# Allegro board rt1064_som_wifi.brd
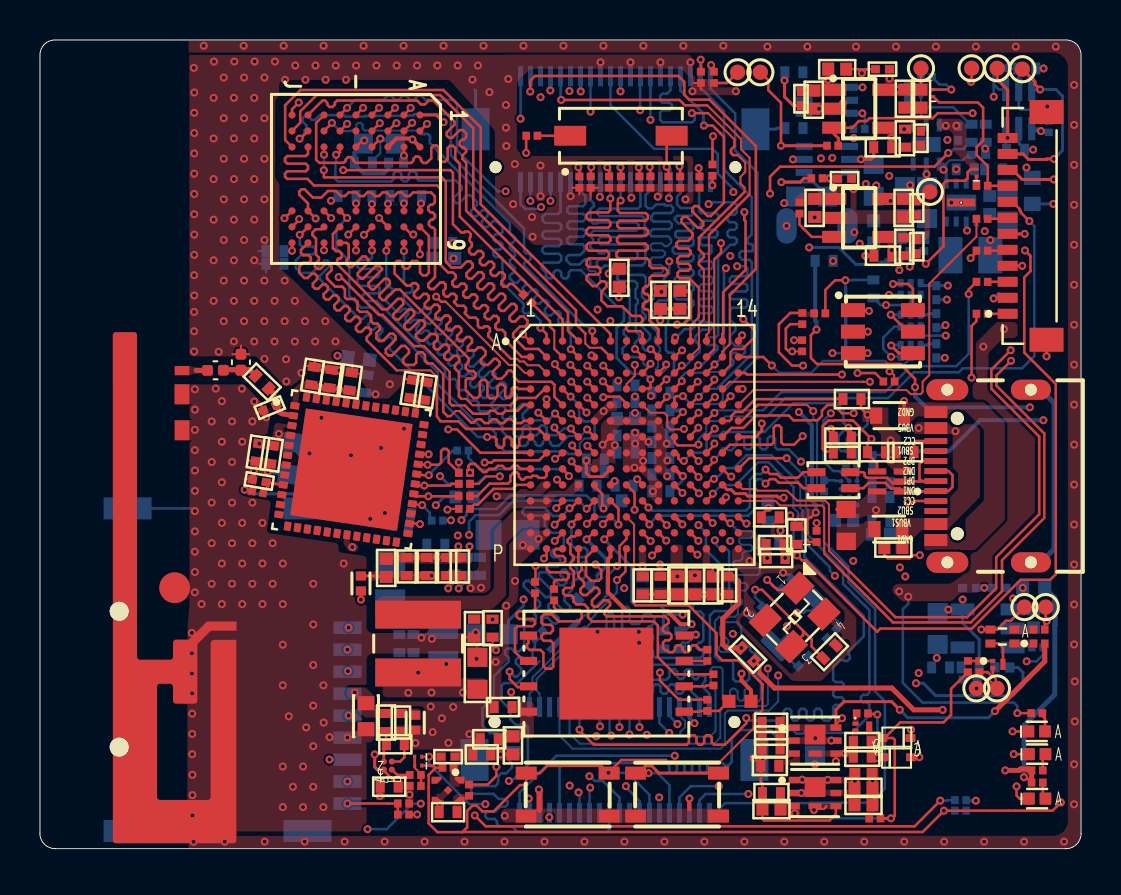
[diagram p0: board, top side]
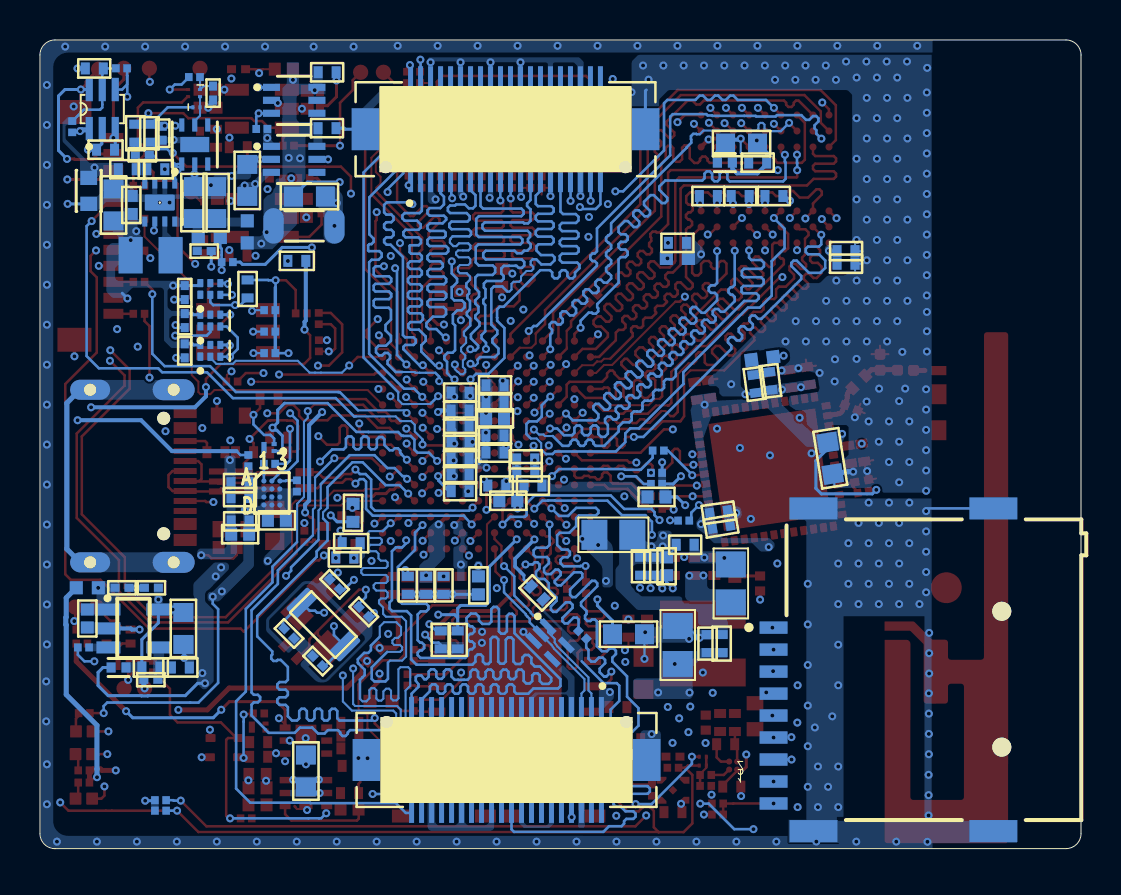
[diagram p1: board, bottom side, seen from below]

Outline 52.1 x 40.47 mm; copper layers: TOP, GND1, SIG1, POWER, GND3, BOTTOM. Coordinates in mm from the lower left corner of the outline.
Outline path: 0,39.72 0,0.75 arc(0.22,0.22) 0.75,0 51.35,0 arc(51.88,0.22) 52.1,0.75 52.1,39.72 arc(51.88,40.25) 51.35,40.47 0.75,40.47 arc(0.22,40.25) 0,39.72

## Design rules (mm)
constraint set DEFAULT: min track width 0.102
net group FLASH_D0: nets FLASH_D0 FLEXSPI_DATA0
net group FLASH_D1: nets FLASH_D1 FLEXSPI_DATA1
net group FLASH_D2: nets FLASH_D2 FLEXSPI_DATA2
net group FLASH_D3: nets FLASH_D3 FLEXSPI_DATA3
net group FLEXSPI_CLK: nets FLEXSPI_CLK N3229250
net group FLEXSPI_SS0: nets FLEXSPI_SS0 N3229246
net group OTG1_DN: nets OTG1_DN USB_OTG1_DN
net group OTG1_DP: nets OTG1_DP USB_OTG1_DP
net group SEMC_CLK: nets N3236913 SEMC_CLK
net group TCK: nets JTAG_TCK TCK
net group TDI: nets ENET_RST TDI
net group TDO: nets ENET_INT TDO
net group TMS: nets JTAG_TMS TMS
net group MG_CSI_ENET: nets GPIO_AD_B1_04 GPIO_AD_B1_05 GPIO_AD_B1_06 GPIO_AD_B1_07 GPIO_AD_B1_08 GPIO_AD_B1_09 GPIO_AD_B1_10 GPIO_AD_B1_11 GPIO_AD_B1_12 GPIO_AD_B1_13 GPIO_AD_B1_14 GPIO_AD_B1_15 GPIO_B1_14 GPIO_SD_B1_01 GPIO_SD_B1_02 GPIO_SD_B1_03 GPIO_SD_B1_04 GPIO_SD_B1_05
net group MG_LCD: nets GPIO_B0_00 GPIO_B0_01 GPIO_B0_02 GPIO_B0_03 GPIO_B0_04 GPIO_B0_05 GPIO_B0_06 GPIO_B0_07 GPIO_B0_08 GPIO_B0_09 GPIO_B0_11 GPIO_B0_12 GPIO_B0_14 GPIO_B0_15 GPIO_B1_00 GPIO_B1_01 GPIO_B1_02 GPIO_B1_03 GPIO_B1_04 GPIO_B1_05 GPIO_B1_06 GPIO_B1_07 GPIO_B1_08 GPIO_B1_09 GPIO_B1_11
net group MG_SDRAM: nets SEMC_A0 SEMC_A1 SEMC_A2 SEMC_A3 SEMC_A4 SEMC_A5 SEMC_A6 SEMC_A7 SEMC_A8 SEMC_A9 SEMC_A10 SEMC_A11 SEMC_A12 SEMC_BA0 SEMC_BA1 SEMC_CAS SEMC_CKE SEMC_CS0 SEMC_D0 SEMC_D1 SEMC_D2 SEMC_D3 SEMC_D4 SEMC_D5 SEMC_D6 SEMC_D7 SEMC_D8 SEMC_D9 SEMC_D10 SEMC_D11 SEMC_D12 SEMC_D13 SEMC_D14 SEMC_D15 SEMC_DM0 SEMC_DM1 SEMC_DQS SEMC_RAS SEMC_WE
net group POWER: nets VDD_HIGH_IN_3V3 VDD_SNVS_CAP VSD_3V3
net group SD1_CLK: nets N3448078
net group SD1_CMD: nets N3245357
net group SD1_D0: nets N3245365
net group SD1_D1: nets N3448060
net group SD1_D2: nets N3448052
net group SD1_D3: nets N3447898

## Placement (name value [footprint] x y rotation side)
ANT1  IFA_PCB_Antenna  [TI_IFA_ANTENNA]  7.47 13.06 90 top
C2  0.1uF  [C0402_SMALL]  36.59 5.66 180 top
C5  0.1UF  [C0402]  41.21 3.04 0 top
C6  1.0UF  [C0402N]  41.21 3.74 0 top
C7  1uF  [C0402]  36.61 1.98 0 top
C8  .22uF  [C0402]  41.21 2.19 0 top
C9  0.1UF  [C0402_SMALL]  34.38 13.18 270 top
C14  22UF  [0603_CC]  49.65 32.92 270 bottom
C15  0.1UF  [C0402]  47.53 32.22 90 bottom
C16  0.22uF  [C0201]  46.97 34.72 0 bottom
C19  1000pF  [C0201]  43.43 37.81 270 bottom
C21  1nF  [C0201]  46.55 8.45 180 bottom
C22  4.7uF  [C0402]  49.73 11.52 270 bottom
C23  0.1uF  [C0201]  47.99 13.06 180 bottom
C24  10uF  [C0603]  44.92 11.02 270 bottom
C25  0.1uF  [C0201]  46.52 13.06 0 bottom
C26  390pF  [C0201]  44.09 35.56 270 top
C27  4.7uF  [C0402]  38.72 37.48 270 top
C28  0.1uF  [C0201]  38.08 37.53 270 top
C29  4.7uF  [C0402]  43.28 37.53 270 top
C30  0.1uF  [C0201]  42.16 39.01 180 top
C33  390pF  [C0201]  43.88 30.13 270 top
C34  4.7uF  [C0402]  38.77 32.07 270 top
C35  0.1uF  [C0201]  40.26 33.53 0 top
C36  4.7uF  [C0402]  43.22 32.07 270 top
C37  0.1uF  [C0201]  43.88 32.07 270 top
C38  1uF  [C0402_SMALL]  36.84 14.55 0 top
C39  220nF  [C0402_SMALL]  36.84 14.58 0 bottom
C40  220nF  [C0402_SMALL]  31.07 19.55 180 bottom
C41  220nF  [C0402_SMALL]  29.33 20.68 0 bottom
C42  220nF  [C0402_SMALL]  31.07 21.12 180 bottom
C43  220nF  [C0402_SMALL]  31.07 20.35 180 bottom
C44  220nF  [C0402_SMALL]  29.33 19.83 0 bottom
C45  220nF  [C0402_SMALL]  31.07 18.73 180 bottom
C46  220nF  [C0402_SMALL]  21.39 14.13 270 bottom
C47  220nF  [C0402_SMALL]  19.81 15.21 180 bottom
C48  220nF  [C0402_SMALL]  22.02 14.13 270 bottom
C49  4.7uF  [C0402]  20.74 14.13 270 bottom
C50  22uF  [C0805]  23.4 15.71 0 bottom
C51  4.7uF  [C0402]  33.69 13.18 270 top
C52  220nF  [C0402_SMALL]  33.69 13.18 270 bottom
C53  220nF  [C0402_SMALL]  30.17 13.18 270 top
C54  4.7uF  [C0402]  30.15 13.18 270 bottom
C55  220nF  [C0402_SMALL]  31.9 13.18 270 bottom
C56  4.7uF  [C0402]  31.9 13.18 270 top
C57  220nF  [C0402_SMALL]  32.77 13.18 270 bottom
C58  4.7uF  [C0402]  32.77 13.18 270 top
C59  220nF  [C0402_SMALL]  31.05 13.18 270 top
C60  0.1uF  [C0402_SMALL]  20.42 1.83 180 top
C61  10nF  [C0201]  20.42 4.6 0 top
C62  220nF  [C0402_SMALL]  20.38 14.12 90 top
C63  220nF  [C0402_SMALL]  19.36 14.12 90 top
C64  220nF  [C0402_SMALL]  18.35 14.12 90 top
C65  4.7uF  [C0402]  17.32 14.05 90 top
C66  22uF  [C0805]  17.52 13.27 90 bottom
C67  220nF  [C0402_SMALL]  18.69 10.26 90 bottom
C68  10uF  [C0603]  21.89 8.77 90 top
C69  22uF  [C0805]  20.18 10.19 90 bottom
C70  4.7pF  [C0201]  35.89 11.85 225 bottom
C71  4.7pF  [C0201]  37.35 13.23 45 bottom
C72  24pF  [C0201]  39.63 10.77 225 bottom
C73  24pF  [C0201]  38.2 9.39 45 bottom
C74  220nF  [C0402_SMALL]  21.72 11.03 270 top
C75  4.7uF  [C0402]  29.32 21.53 0 bottom
C76  0.1uF  [C0402_SMALL]  29.32 23.19 0 bottom
C77  0.1uF  [C0402_SMALL]  29.32 22.35 0 bottom
C78  4.7uF  [C0402]  31.05 27.47 90 top
C79  0.1uF  [C0402_SMALL]  31.07 21.93 180 bottom
C80  0.1uF  [C0402_SMALL]  31.07 17.89 180 bottom
C81  0.1uF  [C0402_SMALL]  31.07 22.82 180 bottom
C82  0.1uF  [C0402_SMALL]  27.79 19.48 360 bottom
C83  0.1uF  [C0402_SMALL]  27.43 18.17 0 bottom
C84  4.7uF  [C0402]  28.66 17.41 0 bottom
C85  0.1uF  [C0402_SMALL]  36.54 16.58 0 top
C86  10uF  [C0603]  16.99 35.29 180 bottom
C87  4.7uF  [0402_CC]  17.82 34.34 180 bottom
C88  0.1UF  [C0402_SMALL]  20.2 30.32 0 bottom
C89  0.1UF  [C0402_SMALL]  15.37 32.66 180 bottom
C90  0.1UF  [C0402_SMALL]  16.18 34.34 180 bottom
C91  0.1UF  [C0402_SMALL]  11.76 29.9 180 bottom
C92  0.1UF  [C0402_SMALL]  17.06 32.66 180 bottom
C93  0.1UF  [C0402_SMALL]  18.65 32.66 180 bottom
C94  0.1UF  [C0402_SMALL]  11.76 29.28 180 bottom
C95  22UF  [0603_CC]  16.31 6.63 270 top
C96  4.7uF  [0402_CC]  18.78 6.31 270 top
C97  0.1UF  [C0402_SMALL]  18.06 6.31 270 top
C99  4.7uF  [C0402_SMALL]  42.09 18.29 0 bottom
C100  0.1uF  [C0402_SMALL]  42.09 17.6 0 bottom
C101  4.7uF  [C0402]  40.24 16.43 180 bottom
C106  10uF  [C0603]  22.65 10.73 180 bottom
C107  0.1uF  [C0402_SMALL]  29.23 18.17 180 bottom
C108  1uF  [C0402_SMALL]  31.19 10.45 270 bottom
C109  1uF  [C0402_SMALL]  32.04 10.45 270 bottom
C110  1.0UF  [C0402_SMALL]  23.18 7.08 180.5 top
C111  0.1UF  [C0402_SMALL]  22.48 5.47 180.1 top
C112  0.1uF  [C0402_SMALL]  49.38 39.05 180 bottom
C113  0.1UF  [C0402_SMALL]  22.11 4.72 180 top
C115  10uF  [C0603]  48.42 32.22 90 bottom
C116  1.0UF  [C0402_SMALL]  37.72 38.86 180 bottom
C117  1.0UF  [C0402_SMALL]  37.73 36.06 180 bottom
C118  10uF  [C0603]  38.79 3.89 90 bottom
C119  47uF  [CC1206_OV]  38.88 31.17 180 bottom
C120  10uF  [C0603]  38.61 32.63 180 bottom
C121  0.1UF  [C0402_SMALL]  17.78 5.23 0 top
C122  0.1uF  [C0402_SMALL]  42.08 16.38 0 bottom
C123  4.7uF  [C0402]  42.08 15.74 0 bottom
C124  4.7uF  [C0402_SMALL]  27.78 18.84 0 bottom
C125  0.1uF  [C0402_SMALL]  27.21 12.8 225 bottom
C126  1 UF  [C0402_SMALL]  17.48 3.1 180 top
C127  0.1uF  [C0201]  44.85 26.43 270 bottom
C128  0.1uF  [C0201]  44.85 27.83 270 bottom
C130  10uF  [C0603]  43.28 32.34 90 bottom
C131  10uF  [C0603]  44.39 32.34 90 bottom
C132  0.1UF  [C0201]  43.88 29.91 180 bottom
C135  0.1UF  [C0201]  45.95 35.81 270 bottom
C136  0.1uF  [C0201]  44.85 24.91 270 bottom
C141  0.1UF  [C0402_SMALL]  36.78 15.19 0 top
C142  0.1UF  [C0402_SMALL]  37.85 15.68 270 top
C143  0.1UF  [C0402_SMALL]  21.01 14.12 90 top
C154  10 pF  [C0201]  11.5 22.07 22.5 top
C159  1.1 pF  [CAPC1005X60L]  10.06 24.75 269.9 top
C225  0.1uF  [C0402]  42.7 15.07 180 top
C245  10uF  [C0603]  41.72 33.44 90 bottom
C246  1uF  [C0402_SMALL]  46.62 35.81 90 bottom
C247  1uF  [C0402_SMALL]  36.59 5.02 180 top
C248  1uF  [C0402_SMALL]  36.59 6.29 180 top
C249  4.7uF  [C0402]  44.09 37.53 270 top
C250  4.7uF  [C0402]  39.89 39.01 0 top
C251  0.1uF  [C0201]  10.97 18.4 350.2 top
C252  0.1uF  [C0402_SMALL]  13.64 23.66 81 top
C253  10 uF  [C0603]  12.55 19.54 261.1 bottom
C254  0.1uF  [C0402_SMALL]  11.58 19.72 261.7 top
C255  4.7uF  [C0402_SMALL]  10.91 19.82 261.7 top
C256  0.1uF  [C0402_SMALL]  18.13 16.81 171.9 bottom
C257  4.7uF  [C0402_SMALL]  18.61 23 81.7 top
C258  0.1UF  [C0402_SMALL]  16.33 23.26 262.3 bottom
C259  0.1uF  [C0402_SMALL]  14.54 23.51 82 top
C260  0.1uF  [C0402_SMALL]  15.55 23.38 82.1 top
C3112  0.1uF  [C0402_SMALL]  18.01 16.15 170.4 bottom
C3113  0.1uF  [C0402_SMALL]  19.28 22.9 81.7 top
C3114  18pF  [CAPC1005X60L]  9.18 23.94 180.5 top
D1  MM5Z10VT1G  [SODFL1608X65N]  42.88 5.54 180 top
D2  LED_RED-GRN  [LED_XZVGMDK53W-9]  48.16 10.62 0 top
D3  MM5Z5V1ST1G  [SODFL1608X65N]  42.86 4.57 0 top
D5  GREEN  [LEDC1005X35N_GRN]  49.9 4.73 0 top
D6  BAT30F4  [CR_B30F4_STM]  44.09 37.81 270 bottom
D7  GREEN  [LEDC1005X35N_GRN]  49.9 2.5 0 top
D8  BAT30F4  [CR_B30F4_STM]  44.26 37.1 180 bottom
D9  BAT30F4  [CR_B30F4_STM]  18.93 4.6 180 top
D10  BAT30F4  [CR_B30F4_STM]  18.93 4.16 180 top
D11  BAT30F4  [CR_B30F4_STM]  38.38 15.63 90 top
D12  BAT30F4  [CR_B30F4_STM]  46.87 33.83 90 top
D13  BAT30F4  [CR_B30F4_STM]  44.68 37.81 90 top
D14  Green  [LEDC1005X35N_GRN]  49.88 5.87 0 top
D16  RGB  [WURTH_150353M153300]  42.18 25.88 0 top
F3  POLY_FUSE  [0603_AVX]  40.35 16.18 90 top
FB2  FERRITE_BEAD  [R0402]  35.42 9.73 135 top
FB3  FERRITE_BEAD  [R0402]  17.32 6.31 90 top
FB4  FERRITE_BEAD  [FB0402]  28.99 28.57 270 top
FB5  FERRITE_BEAD  [FB0402]  32.02 27.47 270 top
FB6  FERRITE_BEAD  [FB0402]  21.24 17.6 0 bottom
FB7  FERRITE_BEAD  [FB0402]  36.43 16.81 90.4 bottom
FB8  FERRITE_BEAD  [FB0402]  23.67 5.17 270 top
FB9  FERRITE_BEAD  [R0402]  36.52 15.29 180 bottom
FB10  FERRITE_BEAD  [C0402_SMALL]  15.55 23.4 83.1 bottom
J1  MEM2075-00-140-01-A  [GCT_MEM2075-00-140-01-A]  3.97 8.48 90 bottom
J2  USB-C  [GCT_USB4105-GF-A]  49.58 18.65 90 top
J4  SM12B-SURS-TFLFSN  [JST_SM12B-SURS-TFLFSN]  48.42 31.17 90 top
J5  DF1730-40DS-05V57  [HRS_DF1730-40DS-05V57]  28.8 36.01 180 bottom
J6  DF1730-40DS-05V57  [HRS_DF1730-40DS-05V57]  28.75 4.44 0 bottom
L1  1uH  [INDC2016X100N]  46.56 29.7 0 bottom
L3  4.7uH  [IND_18A-101M]  18.92 10.26 270 top
L4  120 Ohm  [R0402N]  20.2 29.54 180 bottom
L5  330R  [IND_1608]  42.45 15.99 180 top
L6  90R  [IND4_CHOKE_0805]  39.7 18.44 180 top
L7  330R  [IND_1608]  42.54 21.67 360 top
L11  120 Ohm  [0402_CC]  48.16 9.07 0 bottom
L12  120 Ohm  [0402_CC]  16.06 13.27 90 top
L16  4.7 nH  [R0402]  11.12 23.36 135.8 top
Q1  FDMA530PZ  [MICROFET6_2X2_ONS]  38.79 5.41 0 top
Q2  FDMA530PZ  [MICROFET6_2X2_ONS]  38.79 2.78 0 top
Q3  -  [MMBT3906LP]  41.15 6.08 0 top
Q4  SSM3K15ACTC  [CST3C_TOS]  47.94 9.22 0 top
Q5  SSM3K15ACTC  [CST3C_TOS]  40.63 20.07 0 bottom
R3  1k  [R0201]  50 10.27 180 top
R4  1k  [R0201]  50 10.97 180 top
R5  3.3K  [R0402]  41.15 4.6 0 top
R6  10K  [R0201]  41.15 6.77 180 top
R7  100K  [R0402]  41.15 5.33 0 top
R8  1k  [R0402]  36.52 4.14 180 top
R10  2K  [R0201]  41.78 1.51 180 top
R11  2K  [R0402]  36.61 2.78 180 top
R12  10K  [R0201]  46.44 9.11 90 top
R13  100K  [R0201]  47.01 9.11 270 top
R16  0R50  [R0402]  17.98 10.26 270 bottom
R18  100K  [R0402N]  43.62 30.59 180 bottom
R19  180K  [R0402_SMALL]  47.73 34 180 bottom
R21  10K  [R0201]  42.72 29.35 180 bottom
R22  28.4K  [R0402_SMALL]  46.3 34 180 bottom
R23  180K  [R0201]  39.66 35.18 0 top
R24  220  [R0201]  49.9 3.31 0 top
R25  100  [R0201]  44.37 38.62 180 bottom
R26  1M  [R0402_SMALL]  47.32 35.81 270 bottom
R27  0  [R0402N]  49.73 13.06 180 bottom
R28  10k  [R0201]  49.92 10.07 180 bottom
R29  22.5k  [R0402]  46.55 9.07 180 bottom
R30  18k  [R0402]  45.07 9.07 180 bottom
R32  56.2k  [R0402]  43.28 35.56 270 top
R33  18k  [R0402]  42.17 35.1 180 top
R34  10K  [R0201]  18.78 3.14 0 top
R35  0  [R0201]  18.78 3.69 180 top
R36  0  [R0201]  38.88 33.56 0 top
R37  10k  [R0201]  38 32.07 270 top
R38  56.2k  [R0402]  43.25 30.13 270 top
R39  18k  [R0402]  42.18 29.68 180 top
R41  49R  [R0201]  38.86 15.63 90 top
R42  100k  [R0201]  46.06 2.42 180 bottom
R43  100k  [R0201]  46.06 1.9 180 bottom
R44  1k  [R0201]  20.42 4.05 180 top
R45  1.5k  [R0201]  21.47 2.92 270 top
R46  2.2M  [R0402]  39.51 9.86 45 top
R47  30k  [R0402]  22.65 11.03 270 top
R48  4.7k  [R0402]  41.71 28.01 270 bottom
R49  4.7k  [R0402]  40.15 20.57 0 top
R51  10k  [R0402]  40.63 22.5 0 top
R52  10k  [R0201]  21.24 18.25 0 bottom
R53  10k  [R0201]  21.24 18.81 0 bottom
R56  1K  [R0201]  24.61 35.68 0 top
R58  1K  [R0201]  39.02 26.79 180 top
R60  10k  [R0201]  26.99 33.36 90 top
R61  10k  [R0201]  27.56 33.36 90 top
R62  10k  [R0201]  28.48 33.36 90 top
R63  10k  [R0201]  29.07 33.36 90 top
R64  10k  [R0201]  30 33.36 90 top
R65  10k  [R0201]  30.55 33.36 90 top
R66  10k  [R0201]  31.45 33.36 90 top
R67  10k  [R0201]  32.04 33.36 90 top
R68  10k  [R0201]  33 33.36 90 top
R69  10k  [R0201]  33.65 33.96 270 top
R70  10k  [R0201]  33.72 38.6 90 top
R71  10k  [R0201]  33.07 38.6 90 top
R72  10k  [R0201]  38.14 25.17 90 top
R73  10k  [R0201]  38.15 26.53 90 top
R74  33R  [R0201]  24.4 27.52 135 top
R77  10K  [R0201]  18.19 2.26 180 top
R78  22R  [R0201]  18.19 1.71 0 top
R82  0R  [R0201]  41.67 19.42 270 bottom
R83  100k  [R0201]  42.49 23.38 180 top
R85  100k  [R0201]  40.61 19.26 0 bottom
R86  100k  [R0201]  39.24 18.15 270 bottom
R87  0R  [R0402]  40.15 19.83 180 top
R97  10K  [R0402N]  35.03 7.37 180 top
R100  22R  [R0201]  25.72 12.71 90 top
R101  22R  [R0201]  33.39 7.17 270 top
R102  22R  [R0201]  33.7 8.45 90 top
R103  22R  [R0201]  33.39 9.68 90 top
R104  22R  [R0201]  24.95 10.7 45 bottom
R105  22R  [R0201]  24.78 13.06 270 top
R106  10K  [R0201]  47.14 33.18 0 top
R107  10K  [R0201]  50.48 36.13 270 bottom
R108  10K  [R0201]  48.02 39.06 180 bottom
R109  100K  [R0402]  48.81 34.98 0 bottom
R110  22R  [R0201]  47.14 31.52 0 top
R111  22R  [R0201]  47.14 29.93 0 top
R112  22R  [R0201]  47.14 28.37 0 top
R113  22R  [R0201]  47.14 26.77 0 top
R115  450R  [R0201]  49.88 6.78 0 top
R122  10k  [R0201]  40.99 36.02 0 bottom
R123  0  [R0402N]  41.72 30.87 90 bottom
R128  1.5K  [R0201]  40.6 26.95 0 bottom
R129  1.5K  [R0201]  40.6 25.88 180 bottom
R130  1.5K  [R0201]  40.6 24.8 180 bottom
R131  0  [R0402_SMALL]  39.24 29.42 180.1 bottom
R132  220  [R0201]  49.9 3.92 0 top
R535  5k1  [R0402]  43.29 19.84 180 top
R536  5k1  [R0402]  41.86 19.84 0 top
R537  10k  [R0201]  10.89 17.85 350.4 top
R538  0  [R0402N]  15.95 24.53 352.5 bottom
R539  22R  [R0201]  21.24 17.64 180 top
R540  22R  [R0201]  19.88 16.42 179.8 bottom
R541  22R  [R0201]  21.24 17.01 180 top
R542  22R  [R0201]  21.24 18.81 180 top
R543  50R  [R0201]  21.16 19.92 180.1 bottom
R544  22R  [R0201]  21.24 18.26 180 top
SW1  SPST PB  [WURTH_434133025816]  31.88 2.71 180 top
SW2  SPST PB  [WURTH_434133025816]  26.41 2.71 180 top
SW3  CHS-01TA  [SW_CHS-01TA_NDC]  29.07 35.68 90 top
TP4  RX  [TPAD_030]  47.9 39.06 0 top
TP5  TX  [TPAD_030]  49.16 39.01 0 top
TP9  DCDC_3V3  [TPAD_030]  36.05 38.86 0 top
TP29  LDO_1V8  [TPAD_030]  46.86 8.02 0 top
TP30  3V3_LDO  [TPAD_030]  44.09 39.06 0 top
TP31  VLDO_3V3  [TPAD_030]  44.53 32.87 0 top
TP32  5V_SYS  [TPAD_030]  50.33 12.09 0 top
TP33  GND  [TPAD_030]  46.62 39.06 0 top
TP36  GND  [TPAD_030]  47.89 8.02 0 top
TP37  GND  [TPAD_030]  49.26 12.09 0 top
TP38  GND  [TPAD_030]  34.91 38.86 0 top
U1  TLV62084DSG  [TLV62084DSGR]  46.1 32.34 270 bottom
U2  MIC826RYMT  [TDFN-6_MCH]  44.35 35.24 90 bottom
U3  MIMXRT1064DVJ6B  [BGA196C80P14X14_1200X1200X1]  29.75 20.21 0 top
U4  AP2127K-ADJTRG1  [SOT95P282X145-5N]  40.99 37.03 0 top
U5  ADP194ACBZ  [CB_4_5_ADI]  17.41 4.16 90 top
U6  AP2127K-ADJTRG1  [SOT95P282X145-5N]  40.99 31.57 0 top
U8  TPS3839A09  [DQN4]  20.42 2.92 270 top
U9  IS42S16160J-6BLI  [VFBGA54_8X8]  15.81 33.52 270 top
U11  NX5P3090UK  [WLCSP12_0P4_1P38X1P68MM_SMDP]  40.49 17.8 180 bottom
U16  SN74LVC2G17DCK3  [DCK6]  48.98 37.02 90 bottom
U17  LM66100DCKR  [DCK6_TEX]  39.38 34.5 180 bottom
U18  LM66100DCKR  [DCK6_TEX]  39.38 37.45 180 bottom
U19  TPD3E001  [DRL5]  42.54 18.38 180 top
U20  IS25WP064A-JKLE  [IS25WP064A-JKLE_ISI]  28.34 8.76 180 top
U21  SN74LVC1G07QDRYRQ1  [PSON50P145X100X60-6N]  43.57 28.01 90 bottom
U22  SN74LVC1G07QDRYRQ1  [PSON50P145X100X60-6N]  43.57 26.43 90 bottom
U23  SN74LVC1G07QDRYRQ1  [PSON50P145X100X60-6N]  43.57 24.91 90 bottom
U24  TPD3E001  [DRL5]  26.57 10.3 225 bottom
U26  AP2127K-ADJTRG1  [SOT95P282X145-5N]  47.42 11.02 180 bottom
U27  ESP32-PICO-V3_02  [PQFN50P700X700X104-49N]  15.59 18.97 351.7 top
X1  24MHz 9pF  [X4-SMD-3_2X2_5X1_0MM]  37.76 11.58 225 top
X2  32.768kHz 12.5pF  [X2_SMD_3_2X1_5MM]  37.91 11.22 225 bottom

## Library data of the parts
ANT1 = ANTENNA_1
C2 = CAP NP: room: Power_In
C5 C6 C116-C120 = CAP_NP_0: room: Power_In
C7 C8 = CAP_NP_0: tolerance: 20%; room: Power_In
C9 C113 C141-C143 C258 = CAP_NP_0
C14-C16 C19 C115 C130-C132 C135 = CAP_NP_0: room: DCDC_3V3
C21-C25 = CAP NP: room: LDO_1V8
C26-C30 C246 C249 C250 = CAP NP: room: LDO_3V3
C33-C37 = CAP NP: room: LDO_SNVS
C38-C85 C99-C101 C106-C109 C122-C124 C127 C128 C136 C154 C159 C245 C247 C248 C251-C257 C259 C260 C3112-C3114 = CAP NP
C86-C94 = CAP_NP_0: room: SDRAM
C95-C97 C121 C126 = CAP_NP_0: room: SD_Card
C110 C111 = CAP_NP_0: room: Flash
C112 C125 = CC: room: Connector
C225 = 0u1_0402
D1 = Zener: room: Power_In
D2 = LED_DUAL_SEP_RG
D3 = ZDIODE: room: Power_In
D5 = LED
D6 D8 = DIODE_SCHTKY: room: DCDC_3V3
D7 = LED: room: DCDC_3V3
D9 = DIODE_SCHTKY
D10 D12 D13 = DIODE_SCHTKY: room: SD_Card
D11 = D_0
D14 = LED_0402_GRN
D16 = Wurth_150353M153300
F3 = Fuse_0ZCF0300AF2C
FB2-FB10 = FERRITE_BEAD
J1 = CON8_SDCARD_DETECT: room: SD_Card
J2 = USB-C_Connector
J4 = SM12B-SURS-TFLFSN: room: Connector
J5 J6 = DF1730-40DS-05V57: room: Connector
L1 = IND: tolerance: 30%; room: DCDC_3V3
L3 = INDUCTOR
L4 = INDUCTOR_FERRITE: room: SDRAM
L5 L7 = ferrite_bead_ind
L6 = CM_Choke: signal model: CM_CHOKE_IND4_CHOKE_0805_DISCRETE_90R_90R
L11 L12 = INDUCTOR_FERRITE
L16 = CHOKE
Q1 Q2 = FDMA530PZ: room: Power_In
Q3 = MMBT3906LP: room: Power_In
Q4 Q5 = SSM3K15ACTC
R3 R4 = RES_0: tolerance: 5%
R5-R7 R10 R11 = RES_0: tolerance: 5%; room: Power_In
R8 R122 = RESISTOR: room: Power_In
R12 R13 = RES: tolerance: 5%
R16 R41-R49 R51-R53 R60-R73 R82 R83 R85-R87 R115 R537 = RESISTOR
R18 R19 R21-R26 R123 = RES_0: room: DCDC_3V3
R27-R30 = RESISTOR: room: LDO_1V8
R32 R33 = RESISTOR: room: LDO_3V3
R34 R77 = RES_0: tolerance: 5%; room: SD_Card
R35 R78 = RES_0: room: SD_Card
R36-R39 = RESISTOR: room: LDO_SNVS
R56 R58 = RES_0: room: boot
R74 = R: signal model: RES_0_R0201_DISCRETE_22R; room: SDRAM
R97 = RES_0: tolerance: 5%; room: Flash
R100-R105 = RES_0: signal model: RES_0_R0201_DISCRETE_22R; room: Flash
R106 = RES: room: Connector
R107-R109 = R: room: Connector
R110-R113 = R: signal model: RES_0_R0201_DISCRETE_22R; room: Connector
R128-R130 = R
R131 R132 R538 = RES_0
R535 R536 = 5k1_0402
R539-R544 = RES_0: signal model: RES_0_R0201_DISCRETE_22R; room: SD_Card
SW1 SW2 = SW_PB_ESW: room: button
SW3 = CHS-01TA
TP4 TP5 TP33 TP36-TP38 = TEST POINT: room: Connector
TP9 = TEST POINT
TP29-TP31 = TEST POINT: room: LDO_3V3
TP32 = TEST POINT: room: DCDC_3V3
U1 = TLV62084DSGR: room: DCDC_3V3
U2 = MIC826SYMT-TR_4: room: DCDC_3V3
U3 = MIMXRT1064_BGA-196
U4 = AP2127K-ADJTRG1: room: LDO_3V3
U5 = ADP172_CSP_4P: room: SD_Card
U6 = AP2127K-ADJTRG1: room: LDO_SNVS
U8 = TPS3839G33DQNR
U9 = SDRAM_BGA54: room: SDRAM
U11 = NX5P3090UK
U16 = SN74LVC2G17DCK3: room: Connector
U17 U18 = LM66100DCKR: room: Power_In
U19 = TPD3E001
U20 = 25WP_Flash
U21-U23 = SN74LVC1G07
U24 = TPD3E001DRLR
U26 = AP2127K-ADJTRG1: room: LDO_1V8
U27 = ESP32-PICO-V3-02
X1 = XTAL_0
X2 = XTAL_2P

## Footprints (pads in the part's own frame, mm; a bottom-side part is the same pattern mirrored in y, then rotated)
0402_CC
  rect 0.457x0.508 smd: 1(-0.375,0) 2(0.375,0)
0603_AVX
  rect 0.864x0.965 smd: 1(-0.8,0) 2(0.8,0)
0603_CC
  rect 0.711x0.838 smd: 1(-0.65,0) 2(0.65,0)
BGA196C80P14X14_1200X1200X1
  custom 0.37x0.37 smd: A1(-5.2,5.2) A2(-4.4,5.2) A3(-3.6,5.2) A4(-2.8,5.2) A5(-2,5.2) A6(-1.2,5.2) A7(-0.4,5.2) A8(0.4,5.2) A9(1.2,5.2) A10(2,5.2) A11(2.8,5.2) A12(3.6,5.2) A13(4.4,5.2) A14(5.2,5.2) B1(-5.2,4.4) B2(-4.4,4.4) B3(-3.6,4.4) B4(-2.8,4.4) B5(-2,4.4) B6(-1.2,4.4) B7(-0.4,4.4) B8(0.4,4.4) B9(1.2,4.4) B10(2,4.4) B11(2.8,4.4) B12(3.6,4.4) B13(4.4,4.4) B14(5.2,4.4) C1(-5.2,3.6) C2(-4.4,3.6) C3(-3.6,3.6) C4(-2.8,3.6) C5(-2,3.6) C6(-1.2,3.6) C7(-0.4,3.6) C8(0.4,3.6) C9(1.2,3.6) C10(2,3.6) C11(2.8,3.6) C12(3.6,3.6) C13(4.4,3.6) C14(5.2,3.6) D1(-5.2,2.8) D2(-4.4,2.8) D3(-3.6,2.8) D4(-2.8,2.8) D5(-2,2.8) D6(-1.2,2.8) D7(-0.4,2.8) D8(0.4,2.8) D9(1.2,2.8) D10(2,2.8) D11(2.8,2.8) D12(3.6,2.8) D13(4.4,2.8) D14(5.2,2.8) E1(-5.2,2) E2(-4.4,2) E3(-3.6,2) E4(-2.8,2) E5(-2,2) E6(-1.2,2) E7(-0.4,2) E8(0.4,2) E9(1.2,2) E10(2,2) E11(2.8,2) E12(3.6,2) E13(4.4,2) E14(5.2,2) F1(-5.2,1.2) F2(-4.4,1.2) F3(-3.6,1.2) F4(-2.8,1.2) F5(-2,1.2) F6(-1.2,1.2) F7(-0.4,1.2) F8(0.4,1.2) F9(1.2,1.2) F10(2,1.2) F11(2.8,1.2) F12(3.6,1.2) F13(4.4,1.2) F14(5.2,1.2) G1(-5.2,0.4) G2(-4.4,0.4) G3(-3.6,0.4) G4(-2.8,0.4) G5(-2,0.4) G6(-1.2,0.4) G7(-0.4,0.4) G8(0.4,0.4) G9(1.2,0.4) G10(2,0.4) G11(2.8,0.4) G12(3.6,0.4) G13(4.4,0.4) G14(5.2,0.4) H1(-5.2,-0.4) H2(-4.4,-0.4) H3(-3.6,-0.4) H4(-2.8,-0.4) H5(-2,-0.4) H6(-1.2,-0.4) H7(-0.4,-0.4) H8(0.4,-0.4) H9(1.2,-0.4) H10(2,-0.4) H11(2.8,-0.4) H12(3.6,-0.4) H13(4.4,-0.4) H14(5.2,-0.4) J1(-5.2,-1.2) J2(-4.4,-1.2) J3(-3.6,-1.2) J4(-2.8,-1.2) J5(-2,-1.2) J6(-1.2,-1.2) J7(-0.4,-1.2) J8(0.4,-1.2) J9(1.2,-1.2) J10(2,-1.2) J11(2.8,-1.2) J12(3.6,-1.2) J13(4.4,-1.2) J14(5.2,-1.2) K1(-5.2,-2) K2(-4.4,-2) K3(-3.6,-2) K4(-2.8,-2) K5(-2,-2) K6(-1.2,-2) K7(-0.4,-2) K8(0.4,-2) K9(1.2,-2) K10(2,-2) K11(2.8,-2) K12(3.6,-2) K13(4.4,-2) K14(5.2,-2) L1(-5.2,-2.8) L2(-4.4,-2.8) L3(-3.6,-2.8) L4(-2.8,-2.8) L5(-2,-2.8) L6(-1.2,-2.8) L7(-0.4,-2.8) L8(0.4,-2.8) L9(1.2,-2.8) L10(2,-2.8) L11(2.8,-2.8) L12(3.6,-2.8) L13(4.4,-2.8) L14(5.2,-2.8) M1(-5.2,-3.6) M2(-4.4,-3.6) M3(-3.6,-3.6) M4(-2.8,-3.6) M5(-2,-3.6) M6(-1.2,-3.6) M7(-0.4,-3.6) M8(0.4,-3.6) M9(1.2,-3.6) M10(2,-3.6) M11(2.8,-3.6) M12(3.6,-3.6) M13(4.4,-3.6) M14(5.2,-3.6) N1(-5.2,-4.4) N2(-4.4,-4.4) N3(-3.6,-4.4) N4(-2.8,-4.4) N5(-2,-4.4) N6(-1.2,-4.4) N7(-0.4,-4.4) N8(0.4,-4.4) N9(1.2,-4.4) N10(2,-4.4) N11(2.8,-4.4) N12(3.6,-4.4) N13(4.4,-4.4) N14(5.2,-4.4) P1(-5.2,-5.2) P2(-4.4,-5.2) P3(-3.6,-5.2) P4(-2.8,-5.2) P5(-2,-5.2) P6(-1.2,-5.2) P7(-0.4,-5.2) P8(0.4,-5.2) P9(1.2,-5.2) P10(2,-5.2) P11(2.8,-5.2) P12(3.6,-5.2) P13(4.4,-5.2) P14(5.2,-5.2)
C0201
  rect 0.45x0.401 smd: 1(-0.35,0) 2(0.35,0)
C0402
  rect 0.6x0.65 smd: 1(-0.451,0) 2(0.451,0)
C0402_SMALL
  rect 0.45x0.6 smd: 1(-0.451,0) 2(0.451,0)
C0402N
  rect 0.54x0.6 smd: 1(-0.432,0) 2(0.432,0)
C0603
  rect 0.95x1.001 smd: 1(-0.8,0) 2(0.8,0)
C0805
  rect 1.295x1.499 smd: 1(-0.95,0) 2(0.95,0)
CAPC1005X60L
  custom 0.55x0.54 smd: 1(0,0) 2(0.8,0)
CB_4_5_ADI
  round 0.305 smd: A1(-0.2,0.2) A2(0.2,0.2) B1(-0.2,-0.2) B2(0.2,-0.2)
CC1206_OV
  oval 1.016x1.778 smd: 1(-1.524,0) 2(1.524,0)
CR_B30F4_STM
  rect 0.152x0.203 smd: A(0.178,0) C(-0.178,0)
CST3C_TOS
  rect 0.254x0.203 smd: 1(-0.254,0.175) 2(-0.254,-0.175)
  rect 0.254x0.559 smd: 3(0.254,0)
DCK6
  rect 1.168x0.356 smd: 1(-0.978,0.65) 2(-0.978,0) 3(-0.978,-0.65) 4(0.978,-0.65) 5(0.978,0) 6(0.978,0.65)
DCK6_TEX
  rect 0.851x0.356 smd: 1(-1.137,0.65) 2(-1.137,0) 3(-1.137,-0.65) 4(1.137,-0.65) 5(1.137,0) 6(1.137,0.65)
DQN4
  custom 0.34x0.49 smd: 1(-0.5,0.573) 3(0.5,-0.575)
  custom 0.35x0.5 smd: 2(-0.5,-0.578) 4(0.5,0.575)
  custom 0.439x0.439 smd: 5(0,0)
DRL5
  rect 0.914x0.305 smd: 1(-0.648,0.5) 2(-0.648,0) 3(-0.648,-0.5) 4(0.648,-0.5) 5(0.648,0.5)
FB0402
  rect 0.6x0.65 smd: 1(-0.451,0) 2(0.451,0)
GCT_MEM2075-00-140-01-A
  round 0.95 hole 0.95 unplated: (-3.4,0) (3.4,0)
  rect 0.62x1.4 smd: 1(2.58,11.42) 2(1.48,11.42) 3(0.38,11.42) 4(-0.72,11.42) 5(-1.82,11.42) 6(-2.92,11.42) 7(-4.02,11.42) 8(-5.12,11.42) 9(-6.22,11.42)